# Altium PCB Smartcar.PcbDoc (part 2 of 2)
Units mil, origin at the board's own origin, x right, y up, seen from the top; angles counter-clockwise.
Board outline 3740.16 x 2322.83 mil, 2 copper layers (Top Layer, Bottom Layer); 141 components, 109 nets, 521 pads, 178 vias.
Unrouted connection lines stored in the file: 4.
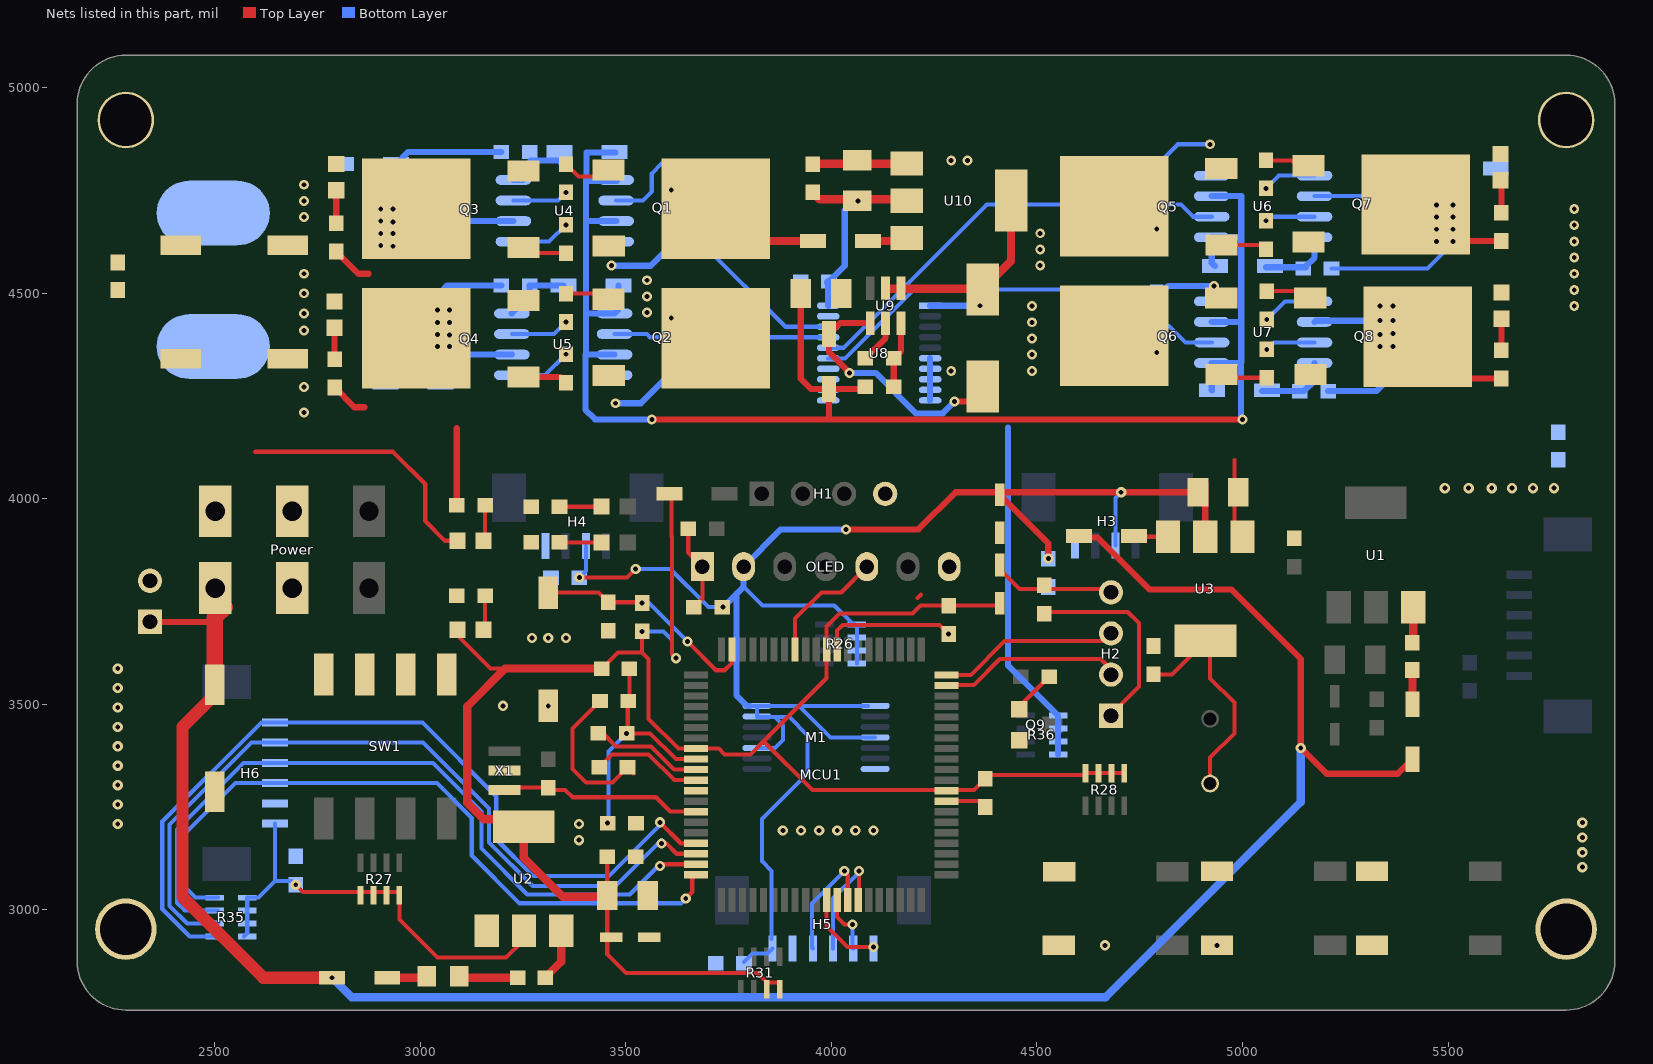
[diagram p2: the nets of this part, all layers, seen from the top]

## Via types
v1: diameter 25, hole 12, Top Layer to Bottom Layer, 88 vias
v2: diameter 24, hole 12, Top Layer to Bottom Layer, 86 vias
v3: diameter 25, hole 12, Top Layer to Bottom Layer, tented both sides, 4 vias

## Nets (pads, with @x,y where several pads share a name; then routed paths per layer and width w, separated by ;. In a path a pad name is that pad's centre, name@x,y a point inside that pad or via, vN(x,y) a via of type N, cw(c..) or ccw(c..) an arc to the next point about the centre after c; other vN are vias at no path point) (continued)
NetC11_2: C11.2 C12.2 L2.1 MCU1.9 R5.1 | length 593.7
  Top Layer w10: v1(3501.87,3429.13) 3559.06,3429.13 3621.61,3366.57 MCU1.9@3670.94,3366.57 ; R5.1@3504.38,3431.65 C11.2@3504.38,3515.75 ; C11.2@3508.32,3511.81 L2.1@3508.32,3586.61
  Bottom Layer w10: v1@3457.57,3207.68 3457.57,3384.84 v1(3501.87,3429.13)
  other v1: 3455.61,3210.63
NetC28_1: C28.1 D18.2 U5.8 | length 168.7
  Bottom Layer w15: U5.8@3222.44,4450.59 3265.85,4494 C28.1@3265.85,4518.7 D18.2@3348.43,4518.7
NetC30_1: C30.1 D17.2 U4.8 | length 160.6
  Bottom Layer w15: U4.8@3226.38,4775.39 3249.02,4775.39 3267.72,4794.09 3267.72,4822.83 3336.61,4822.83 3346.46,4812.99
NetC32_2: C32.2 D23.1 H2.4 | length 305.5
  Top Layer w10: D23.1@4409.39,3838.58 4409.39,3828.8 4457.87,3780.32 H2.4@4685.04,3780.32
NetC36_1: C36.1 D26.2 U6.8 | length 178.9
  Bottom Layer w15: D26.2@5057.09,4562.99 C36.1@5154.53,4562.99 ; C36.1@5152.56,4563.98 5175.2,4586.61 U6.8@5175.2,4636.02
NetC37_1: C37.1 D27.2 U7.8 | length 181.2
  Bottom Layer w15: D27.2@5047.24,4261.81 C37.1@5139.66,4261.81 5149.5,4261.81 5175.2,4287.5 U7.8@5175.2,4330.12
NetD2_2: D2.2 L1.2 | length 83.2
  Top Layer w20: D2.2@5413.39,3500 L1.2@5413.39,3583.17
NetD12_2: D12.2 R19.1 | length 79.1
  Top Layer w10: D12.2@3157.48,3684.64 R19.1@3157.48,3763.78
NetD13_2: D13.2 R20.1 | length 102
  Top Layer w10: R20.1@3338.58,3893.7 D13.2@3440.55,3893.7
NetD14_2: D14.2 F1.1 | length 70.9
  Top Layer w20: D14.2@2939.96,2834.65 F1.1@3010.83,2834.65
NetD15_2: D15.2 R21.1 | length 101.1
  Top Layer w10: R21.1@3338.58,3980.32 D15.2@3439.72,3980.32
NetD19_2: D19.2 U3.3 | length 80.7
  Top Layer w10: D19.2@4738.19,3907.48 U3.3@4818.9,3907.48
NetD32_1: D32.1 L8.2 U9.1 | length 618.2
  Top Layer w15: v2(4044.29,4306.1) 3994.09,4356.3 D32.1@3994.09,4400.59 4020.67,4427.17 U9.1@4094.49,4427.17 ; v2(4299.21,4236.22) 4331.69,4236.22 L8.2@4368.11,4272.64
  Bottom Layer w15: v2(4044.29,4306.1) 4107.28,4306.1 4205.71,4207.68 4270.67,4207.68 v2(4299.21,4236.22)
NetD33_2: D33.2 U10.3 | length 97.9
  Top Layer w20: D33.2@4088.58,4626.97 4176.26,4626.97 U10.3@4183.46,4634.17
NetD34_2: D34.2 R41.1 | length 83.1
  Top Layer w10: D34.2@3157.48,3901.18 R41.1@3157.48,3984.25
NetF1_2: F1.2 L3.2 | length 138.3
  Top Layer w20: F1.2@3098.43,2834.65 L3.2@3236.72,2834.65
NetJ3_1: J3.1 Power.2 Power.5
NetL1_1: L1.1 U1.3 | length 84.2
  Top Layer w20: L1.1@5415.35,3652.02 U1.3@5415.35,3736.22
NetL3_1: L3.1 U2.3 | length 130.3
  Top Layer w20: L3.1@3303.59,2834.65 3342.52,2873.57 U2.3@3342.52,2948.82
NetLED1_1: LED1.1 R37.2 | length 80.2
  Top Layer w15: R37.2@2795.28,4660.54 R37.2@2795.28,4670.38 LED1.1@2795.28,4740.75
NetLED2_1: LED2.1 R40.2 | length 76.3
  Top Layer w15: R40.2@2791.34,4329.83 R40.2@2791.34,4339.67 LED2.1@2791.34,4406.1
NetLED3_1: LED3.1 R42.2 | length 76.3
  Top Layer w15: R42.2@5629.92,4695.97 LED3.1@5629.92,4772.25
NetLED4_1: LED4.1 R43.2 | length 76.3
  Top Layer w15: R43.2@5629.92,4361.32 LED4.1@5629.92,4437.6
NetMCU1_10: MCU1.10 R5.2 | length 262.6
  Top Layer w10: R5.2@3444.88,3429.13 3476.38,3397.64 3560.89,3397.64 3617.54,3340.98 MCU1.10@3670.94,3340.98
NetMCU1_11: MCU1.11 R8.2 | length 275
  Top Layer w10: R8.2@3434.94,3346.46 3466.43,3377.95 3555.12,3377.95 3617.68,3315.39 MCU1.11@3670.94,3315.39
NetQ1_1: Q1.1 R22.2 | length 118
  Top Layer w10: R22.2@3354.33,4814.08 3384.84,4783.57 Q1.1@3459.65,4783.57
NetQ2_1: Q2.1 R23.2 | length 109.1
  Top Layer w10: R23.2@3354.33,4499.02 3443.9,4499.02 Q2.1@3457.68,4485.24
NetQ3_1: Q3.1 R24.2 | length 109.1
  Top Layer w10: Q3.1@3250.98,4611.22 3264.87,4597.34 R24.2@3354.33,4597.34
NetQ4_1: Q4.1 R25.2 | length 109.1
  Top Layer w15: Q4.1@3250.98,4296.26 3340.45,4296.26 R25.2@3354.33,4282.38
NetQ5_1: Q5.1 R29.2 | length 112.4
  Top Layer w10: Q5.1@4948.82,4617.13 5047.14,4617.13 R29.2@5057.09,4607.18
NetQ6_1: Q6.1 R30.2 | length 113.5
  Top Layer w10: Q6.1@4948.82,4302.17 4956.8,4294.19 R30.2@5059.06,4294.19
NetQ7_1: Q7.1 R32.2 | length 92.7
  Top Layer w10: R32.2@5059.06,4822.83 5119.09,4822.83 5128.94,4812.99 Q7.1@5147.64,4812.99
NetQ8_1: Q8.1 R33.2 | length 113.1
  Top Layer w10: R33.2@5059.06,4504.92 5148.36,4504.92 Q8.1@5165.19,4488.09
NetQ9_1: Q9.1 R38.2 | length 109.4
  Top Layer w10: Q9.1@4456.94,3487.64 4456.94,3494.24 R38.2@4529.63,3566.93
NetR22_1: R22.1 U4.7 | length 136.1
  Bottom Layer w10: U4.7@3226.38,4725.39 3334.65,4725.39 v2(3354.33,4745.08)
NetR23_1: R23.1 U5.7 | length 144.1
  Bottom Layer w10: U5.7@3222.44,4400.59 3324.91,4400.59 v2(3354.33,4430.02)
NetR24_1: R24.1 U4.5 | length 144.9
  Bottom Layer w10: U4.5@3226.38,4625.39 3313.39,4625.39 v2(3354.33,4666.34)
NetR25_1: R25.1 U5.5 | length 152.9
  Bottom Layer w10: U5.5@3222.44,4300.59 3303.54,4300.59 v2(3354.33,4351.38)
NetR29_1: R29.1 U6.7 | length 122.2
  Bottom Layer w10: v2(5057.09,4676.18) 5066.93,4686.02 U6.7@5175.2,4686.02
NetR30_1: R30.1 U7.7 | length 123.2
  Bottom Layer w10: v2(5059.06,4363.19) 5075.98,4380.12 U7.7@5175.2,4380.12
NetR32_1: R32.1 U6.5 | length 131
  Bottom Layer w10: v2(5057.09,4754.82) 5088.29,4786.02 U6.5@5175.2,4786.02
NetR33_1: R33.1 U7.5 | length 134.4
  Bottom Layer w10: v2(5059.06,4435.92) 5103.25,4480.12 U7.5@5175.2,4480.12
NetR34_1: R34.1 R39.2 U9.3 | length 161.9
  Top Layer w15: R34.1@4151.57,4272.64 4151.57,4341.43 R39.2@4151.68,4341.54 4169.29,4359.15 U9.3@4169.29,4427.17
OUT1: C30.2 D20.1 D24.2 J1.1 Q1.3 Q3.2 R37.1 U4.6 | length 984.2
  Top Layer w15: R37.1@2795.28,4601.38 2849.41,4547.24 2874.02,4547.24
  Bottom Layer w15: J1.1@2921.26,4666.34 J1.1@2930.31,4675.39 ; C30.2@3196.75,4843.5 2970.47,4843.5 D24.2@2940.94,4813.98 2933.07,4806.1 v2(2933.07,4704.72) 2933.07,4693.9 2940.94,4686.02 J1.1@2930.31,4675.39 ; U4.6@3226.38,4675.39 J1.1@2930.31,4675.39 ; v2@3474.41,4566.93 3560.04,4566.93 D20.1@3610.24,4617.13
  other v2: 3464.57,4566.93 2933.07,4614.17 2903.54,4616.14 2903.54,4645.67 2933.07,4645.67 2933.07,4673.23 2903.54,4675.2 2903.54,4704.72
OUT2: C28.2 D21.1 D25.2 J1.2 Q2.3 Q4.2 R40.1 U5.6 | length 780.6
  Top Layer w15: R40.1@2791.34,4270.67 2839.57,4222.44 2864.17,4222.44
  Bottom Layer w15: v2(3041.34,4458.66) 3051.18,4468.5 3051.18,4503.94 3065.94,4518.7 C28.2@3196.85,4518.7 ; D25.2@3049.21,4282.48 3049.21,4400.59 J1.2@3059.05,4410.43 v2(3070.87,4398.62) 3118.9,4350.59 U5.6@3222.44,4350.59 ; v2(3474.41,4232.28) 3536.42,4232.28 D21.1@3610.24,4306.1
  other v2: 3041.34,4370.08 3070.87,4370.08 3041.34,4399.61 3041.34,4429.13 3070.87,4429.13 3070.87,4458.66
OUT3: C36.2 D28.1 D30.2 J2.1 Q5.3 Q7.2 R42.1 U6.6 | length 1242.3
  Top Layer w10: Q7.2@5421.26,4715.55 Q7.2@5509.84,4626.97
  Top Layer w15: Q7.2@5509.84,4626.97 R42.1@5629.92,4626.97
  Bottom Layer w10: D28.1@4791.34,4790.35 4791.34,4811.02 4842.52,4862.2 v2(4921.26,4862.2) ; U6.6@5175.2,4736.02 5430.31,4736.02 J2.1@5482.28,4684.06 ; C36.2@5216.64,4560.04 5450.29,4560.04 5490.16,4599.91 J2.1@5490.16,4676.18 J2.1@5482.28,4684.06 ; D30.2@5482.28,4803.15 J2.1@5482.28,4684.06
  other v2: 5472.44,4625.98 5511.81,4625.98 5472.44,4655.51 5511.81,4655.51 5472.44,4685.04 5511.81,4685.04 5472.44,4714.57 5511.81,4714.57
OUT4: C37.2 D29.1 D31.2 J2.2 Q6.3 Q8.2 R43.1 U7.6 | length 871
  Top Layer w15: Q8.2@5426.02,4393.6 5527.3,4292.32 R43.1@5629.92,4292.32
  Bottom Layer w15: D29.1@4791.34,4489.17 4819.88,4517.72 v2(4931.1,4517.72) ; U7.6@5175.2,4430.12 5178.15,4433.07 v2(5334.65,4433.07) 5339.57,4433.07 J2.2@5352.36,4420.28 5356.3,4416.34 D31.2@5356.3,4292.32 5325.79,4261.81 C37.2@5208.66,4261.81
  other v2: 5334.65,4370.08 5366.14,4370.08 5334.65,4399.61 5366.14,4401.57 5366.14,4433.07 5334.65,4468.5 5366.14,4468.5
P5V: C39.1 C44.1 C45.2 L8.1 U8.1 U8.20 U9.4 U9.5 U10.0 U10.2 | length 1096.7
  Top Layer w20: C45.2@3954.72,4745.08 3971.46,4728.35 U10.2@4161.14,4728.35 ; U9.5@4130.91,4510.83 L8.1@4367.13,4510.83 ; L8.1@4368.11,4508.86 4437.01,4577.76 U10.0@4437.01,4725.39
  Bottom Layer w15: U8.20@3992.13,4469.49 C39.1@3992.13,4526.47 ; C39.1@3994.2,4528.54 4032.58,4566.93 4032.58,4701.87 v2@4055.12,4724.41 ; U8.1@4240.16,4469.49 v2(4361.22,4469.49)
  Bottom Layer w20: C39.1@3992.13,4526.47 C39.1@3994.2,4528.54
  other v2: 4064.96,4724.41
PGND: C39.2 C41.2 C44.2 C45.1 C46.1 C47.1 D24.1 D25.1 D30.1 D31.1 J3.2 L4.2 L5.2 LED1.2 LED2.2 LED3.2 LED4.2 pad.0 pad.4 Q3.3 Q4.3 Q7.3 Q8.3 R36.1 R36.2 R36.3 R36.4 R39.1 R41.2 U4.4 U5.4 U6.4 U7.4 U8.6 U8.7 U8.8 U8.9 U8.10 U8.11 U8.12 U8.13 U8.14 U8.19 U9.2 U10.1 | length 1523.6
  Top Layer w15: R41.2@3088.48,3984.25 3088.48,4171.36 ; R39.1@4082.68,4341.54 4131.89,4390.75 U9.2@4131.89,4427.17
  Top Layer w20: C45.1@3954.72,4814.08 3955.61,4814.96 4183.46,4814.96 U10.1@4185.43,4814.96
  Bottom Layer w15: U8.11@3992.13,4239.17 U8.12@3992.13,4264.76 U8.13@3992.13,4290.35 ; U8.10@4240.16,4239.17 U8.9@4240.16,4264.76 U8.8@4240.16,4290.35 U8.7@4240.16,4315.94 U8.6@4240.16,4341.54 ; 4429.13,4173.23 4429.13,3594.49 R36.1@4551.18,3472.44 R36.2@4551.18,3440.94 R36.3@4551.18,3409.45 R36.4@4551.18,3377.95
  other v2: 2716.54,4209.82 2716.54,4271.65 4291.34,4311.02 4488.19,4311.02 4488.19,4350.39 4488.19,4389.76 2716.54,4409.45 4488.19,4429.13 2716.54,4450.63 3551.18,4452.76 4488.19,4468.5 5807.09,4468.5 3551.18,4492.13 2716.54,4499.73 5807.09,4507.87 3551.18,4531.5 2716.54,4547.24 5807.09,4547.24 4507.87,4566.93 5807.09,4586.61 4507.87,4606.3 5807.09,4625.98 4507.87,4645.67 5807.09,4665.35 2716.54,4685.04 5807.09,4704.72 2716.54,4724.41 2716.54,4763.78 4291.34,4822.83 4330.71,4822.83
PWM1: U4.2 U8.18 | length 833.6
  Bottom Layer w10: U4.2@3476.38,4725.39 3541.34,4725.39 3562.99,4747.05 3562.99,4791.34 3586.61,4814.96 3645.67,4814.96 3686.52,4774.11 3686.52,4619.59 3887.8,4418.31 U8.18@3992.13,4418.31
PWM2: U5.2 U8.17 | length 522.9
  Bottom Layer w10: U5.2@3472.44,4400.59 3551.18,4400.59 3559.06,4392.72 U8.17@3992.13,4392.72
PWM3: U6.2 U8.16 | length 1089.6
  Bottom Layer w10: U8.16@3992.13,4367.13 4029.53,4367.13 4377.95,4715.55 4850.39,4715.55 4879.92,4686.02 U6.2@4925.2,4686.02
PWM4: U7.2 U8.15 | length 1055.7
  Bottom Layer w10: U8.15@3992.13,4341.54 4033.46,4341.54 4200.79,4508.86 4643.7,4508.86 4732.28,4420.28 4820.87,4420.28 4861.02,4380.12 U7.2@4925.2,4380.12
RESET: C18.1 MCU1.79 R11.2 RST.1 | length 565
  Top Layer w10: RST.1@3311.02,3771.65 3433.07,3771.65 C18.1@3456.69,3748.03 3537.5,3748.03 v1(3539.37,3746.17) ; v1(3649.61,3652.56) 3719.49,3582.68 3740.16,3582.68 3758.07,3600.59 MCU1.79@3758.07,3632.83
  Bottom Layer w10: v1(3539.37,3746.17) 3556,3746.17 v1(3649.61,3652.56)
RST: MCU1.73 OLED.5 | length 302.4
  Top Layer w10: MCU1.73@3911.61,3632.83 3911.61,3708.34 3975.56,3772.28 4023.86,3772.28 OLED.5@4086.22,3834.65
RX0: H2.3 MCU1.60 | length 450
  Top Layer w10: MCU1.60@4280.24,3571.3 4339.02,3571.3 4421.26,3653.54 4658.27,3653.54 H2.3@4685.04,3680.32
SCL: H5.4 MCU1.33 | length 296.7
  Top Layer w10: v1(4031.49,3094.48) 4039.43,3086.54 4039.43,3083.1 4039.57,3082.96 MCU1.33@4039.57,3023.54
  Bottom Layer w10: H5.4@3954.72,2905.51 3952.76,2907.48 3952.76,3015.75 v1(4031.49,3094.48)
SCS: H5.1 MCU1.31 | length 198.2
  Top Layer w10: MCU1.31@3988.39,3023.54 3988.39,2960.43 4039.37,2909.45 v2(4102.36,2909.45)
SDA: H5.3 MCU1.34 | length 286.7
  Top Layer w10: MCU1.34@4065.16,3023.54 4066.93,3025.32 v1(4066.93,3094.49)
  Bottom Layer w10: H5.3@4003.94,2905.51 4003.94,3028.04 4066.93,3091.03 v1(4066.93,3094.49)
SDS: H5.2 MCU1.32 | length 145.8
  Top Layer w10: MCU1.32@4013.98,3023.54 4013.98,2982.09 4031.5,2964.57 v2(4051.18,2964.57)
  Bottom Layer w10: v2(4051.18,2964.57) 4051.18,2907.48 H5.2@4053.15,2905.51
SGND: C1.1 C11.1 C12.1 C13.1 C18.2 C25.1 C26.2 C27.1 C29.2 C31.1 C32.1 C33.1 C34.1 C38.1 C40.2 C42.2 C43.1 D16.1 D22.1 H1.4 H2.1 H3.4 H4.4 H5.5 H6.5 H8.2 KEY1.2 KEY2.2 KEY3.2 KEY4.1 KEY5.1 KEY6.1 L4.1 L5.1 M1.7 MCU1.12 MCU1.48 MCU1.69 OLED.1 OLED.7 pad.2 pad.3 Q9.2 R1.1 R8.1 R19.2 R20.2 R21.2 RST.2 SW1.5 SW1.6 SW1.7 SW1.8 U2.1 U3.1 X1.2 | length 1644
  Top Layer w10: C11.1@3437.01,3507.87 3370.08,3440.94 3370.08,3342.52 3402.77,3309.83 3467.31,3309.83 R8.1@3503.94,3346.46 R8.1@3518.41,3331.98 ; C1.1@3651.57,3927.17 3651.57,3869.29 OLED.1@3686.22,3834.65 3686.22,3757.09 C33.1@3665.35,3736.22 ; 4013.67,3663.77 4013.67,3679.03 4027.56,3692.91 4263.18,3692.91 v1(4285.1,3671) ; 4209.84,3758.26 4209.84,3758.74 4217.45,3766.35 4217.93,3766.35 ; MCU1.48@4280.24,3264.21 C25.1@4359.7,3264.21 ; C32.1@4528.54,3724.84 4720.91,3724.84 4748.03,3697.72 4748.03,3543.31 H2.1@4685.04,3480.32 ; U3.1@4980.31,3907.48 4980.31,4094.49
  other v1: 4665.35,2913.39 4937.99,2913.39 5826.77,3103.67 5826.77,3139.76 5826.77,3175.85 3881.89,3192.91 3925.98,3192.91 3970.08,3192.91 4014.17,3192.91 4058.27,3192.91 4102.36,3192.91 2263.78,3208.66 5826.77,3211.94 2263.78,3255.91 2263.78,3303.15 2263.78,3350.39 2263.78,3397.64 2263.78,3444.88 2263.78,3492.13 3200.79,3496.06 3311.02,3496.06 2263.78,3539.37 2263.78,3586.61 3271.65,3661.42 3311.02,3661.42 3354.33,3661.42 5492.13,4025.59 5550.12,4025.59 5606.3,4025.59 5655.51,4025.59 5706.69,4025.59 5757.87,4025.59
  other v3: 3385.83,3169.29 3385.83,3208.66
STOP1: H6.1 MCU1.17 R35.1 | length 2070.2
  Top Layer w10: v1(3582.68,3212.6) 3633.43,3161.85 MCU1.17@3670.94,3161.85
  Bottom Layer w10: R35.1@2507.87,2935.04 R35.1@2500,2935.04 2438.98,2935.04 2372.05,3001.97 2372.05,3214.43 2613.32,3455.71 H6.1@2646.65,3455.71 3004.92,3455.71 3184.62,3276.01 3184.62,3171.54 3274.47,3081.69 3458.66,3081.69 3582.68,3205.71 v1(3582.68,3212.6)
STOP2: H6.2 MCU1.18 R35.2 | length 1974.9
  Top Layer w10: v1(3586.61,3161.42) 3598.43,3161.42 3623.58,3136.26 MCU1.18@3670.94,3136.26
  Bottom Layer w10: R35.2@2507.87,2966.54 R35.2@2500,2966.54 2432.94,2966.54 2390.05,3009.42 2390.05,3206.98 2589.57,3406.5 H6.2@2646.65,3406.5 3006.76,3406.5 3166.62,3246.63 3166.62,3164.09 3273.34,3057.37 3474.69,3057.37 v1@3586.61,3169.29 ; v1@3586.61,3169.29 3585.51,3161.57 3584.65,3155.51 3586.61,3157.48 v1(3586.61,3161.42) v1@3586.61,3169.29
STOP3: H6.3 MCU1.19 R35.3 | length 1837.7
  Top Layer w10: v1(3582.68,3106.3) 3587.05,3110.67 MCU1.19@3670.94,3110.67
  Bottom Layer w10: R35.3@2507.87,2998.03 R35.3@2500,2998.03 2426.9,2998.03 2408.05,3016.88 2408.05,3195.45 2569.88,3357.28 H6.3@2646.65,3357.28 3030.51,3357.28 3148.62,3239.17 3148.62,3148.62 3259.95,3037.3 3509.74,3037.3 3511.81,3039.37 3580.71,3108.27 3582.68,3110.24 v1(3582.68,3106.3)
STOP4: H6.4 MCU1.20 R35.4 | length 1739.2
  Top Layer w10: v1(3645.67,3027.56) 3661.42,3043.31 3661.42,3075.55 MCU1.20@3670.94,3085.08
  Bottom Layer w10: R35.4@2507.87,3029.53 R35.4@2500,3029.53 2452.76,3029.53 2426.05,3056.24 2426.05,3183.92 2550.2,3308.07 H6.4@2646.65,3308.07 3040.35,3308.07 3125,3223.43 3125,3131.89 3241.14,3015.75 3633.86,3015.75 v1(3645.67,3027.56)
TX0: H2.2 MCU1.59 | length 429.6
  Top Layer w10: MCU1.59@4287.4,3547.24 4346.46,3547.24 4409.45,3610.24 4655.12,3610.24 H2.2@4680.41,3584.94
VCC: C46.2 C47.2 D20.2 D21.2 D28.2 D29.2 D33.1 D34.1 Power.6 Q1.2 Q2.2 Q5.2 Q6.2 | length 902.6
  Top Layer w10: 2598.43,4114.17 2933.07,4114.17 3011.81,4035.43 3011.81,3946.14 3060.31,3897.64 D34.1@3090.16,3897.64
  Top Layer w20: Q1.2@3718.5,4705.71 3797.24,4626.97 D33.1@3954.72,4626.97
  other v2: 4791.34,4355.31 3610.24,4439.96 4791.34,4656.5 3610.24,4750.98
VCC5V: C13.2 C25.2 C26.1 C27.2 C42.1 D1.2 D12.1 D16.2 D23.2 H6.6 L2.2 MCU1.8 MCU1.49 MCU1.70 R11.1 R27.1 R27.2 R27.3 R27.4 R28.5 R28.6 R28.7 R28.8 R31.7 R31.8 R35.5 R35.6 R35.7 R35.8 U2.0 U2.2 | length 5939
  Top Layer w10: v1(2696.85,3060.92) 2714.46,3043.31 2948.82,3043.31 R27.4@2948.82,3035.43 2948.82,2976.38 3041.34,2883.86 3208.66,2883.86 3248.03,2923.23 U2.2@3248.03,2944.88 ; D12.1@3090.16,3681.11 3090.16,3666.73 3170.28,3586.61 3205.71,3586.61 ; U2.0@3206.02,3220.47 3233.19,3220.47 U2.0@3251.3,3202.36 ; L2.2@3441.44,3586.61 3480.81,3625.98 3539.37,3625.98 ; C26.1@3454.62,3031.6 C27.2@3454.62,3128.94 ; C26.1@3454.72,3034.45 3454.72,3031.5 3454.72,2891.73 3500,2846.46 3820.37,2846.46 R31.7@3841.04,2825.79 ; v1(3539.37,3677.17) 3539.37,3625.98 ; v1(3622.05,3612.2) 3611.79,3622.46 3611.79,3908.05 3611.22,3908.61 3611.22,4004.92 D1.2@3626.97,4020.67 ; R31.7@3842.52,2807.09 3842.52,2822.83 R31.8@3874.02,2822.83 ; MCU1.70@3988.19,3649.61 3988.19,3688.98 4019.68,3720.47 4197.5,3720.47 4217.19,3740.16 4399.55,3740.16 D23.2@4409.39,3750 ; MCU1.70@3988.39,3632.83 3988.39,3563.19 3835.14,3409.94 ; R28.5@4710.63,3332.68 4622.05,3332.68 4620.87,3330.32 4619.49,3327.56 4615.35,3326.18 4616.27,3328.02 4383.14,3328.02 C25.2@4374.02,3318.9 4346.46,3291.34 3953.74,3291.34 3835.14,3409.94 ; 3539.37,3625.98 3555.12,3610.24 3555.12,3464.57 3627.52,3392.17 MCU1.8@3670.94,3392.17 3725.94,3392.17 3739.99,3378.12 3803.31,3378.12 3835.14,3409.94
  Top Layer w20: U2.0@3206.02,3220.47 3153.54,3220.47 3114.17,3259.84 3114.17,3495.08 3205.71,3586.61 L2.2@3441.44,3586.61 ; U2.0@3251.3,3202.36 3251.3,3126.65 3346.46,3031.5 C26.1@3454.72,3031.5
  Bottom Layer w10: R35.8@2570.87,2935.04 2578.74,2942.91 R35.7@2578.74,2966.54 R35.6@2578.74,2998.03 R35.5@2578.74,3029.53 2606.3,3029.53 2646.65,3069.88 ; H6.6@2646.65,3209.65 2646.65,3069.88 ; C42.1@2687.89,3069.88 2646.65,3069.88 ; v1(3539.37,3677.17) 3591.54,3677.17 3611.79,3656.91 3611.79,3622.46 v1(3622.05,3612.2)
VCC5V-2: B1.1 C29.1 C31.2 C33.2 C34.2 C38.2 C40.1 D22.2 H3.2 H4.2 H5.6 M1.1 M1.4 M1.10 M1.13 M1.14 OLED.2 R26.5 R26.6 R26.7 R26.8 U3.0 U3.2 | length 4941.2
  Top Layer w10: v1(3386.81,3808.07) 3502.95,3808.07 v1(3523.62,3828.74) ; C31.2@4783.46,3572.73 4828.91,3572.73 U3.0@4910.12,3653.94 4921.26,3642.79 4921.26,3562.99 4980.31,3503.94 4980.31,3429.13 4921.26,3370.08 B1.1@4921.26,3307.09
  Top Layer w15: v1(4035.43,3925.2) 4211.61,3925.2 4302.17,4015.75 v3(4704.72,4015.75) C29.1@4891.73,4015.75 ; D22.2@4409.45,4009.84 4527.56,3891.73 v1(4527.56,3854.33) ; U3.2@4909.45,3907.48 C29.1@4909.45,4035.43
  Bottom Layer w10: v1(3386.81,3808.07) 3402.56,3823.82 H4.2@3402.56,3884.58 ; v1(3523.62,3828.74) 3607.92,3828.74 3700.44,3736.22 v1(3736.22,3736.22) ; 3786.22,3786.22 3832.28,3740.16 4006.89,3740.16 4053.15,3693.9 4055.7,3694.8 R26.5@4056.32,3692.57 ; C40.1@3786.91,2873.03 3807.58,2893.7 3844.49,2893.7 H5.6@3856.3,2905.51 ; M1.14@3801.18,3496.06 M1.14@3818.9,3496.06 ; M1.10@3818.9,3393.7 3862.68,3393.7 3881.89,3412.91 3881.89,3448.82 3862.2,3468.5 ; M1.13@3818.9,3468.5 3862.2,3468.5 ; M1.13@3818.9,3470.47 M1.14@3818.9,3496.06 ; H5.6@3854.33,2929.13 3854.33,3094.49 3830.71,3118.11 3830.71,3220.47 3941.93,3331.69 3941.93,3424.21 3897.64,3468.5 3862.2,3468.5 ; R26.8@4062.01,3599.41 4062.01,3662.4 R26.5@4062.01,3692.57 ; M1.1@4088.58,3496.06 3921.26,3496.06 ; M1.4@4106.3,3419.29 3998.03,3419.29 3921.26,3496.06 ; H3.2@4690.94,3885.83 4690.94,4001.97 v3(4704.72,4015.75) ; M1.14@3818.9,3496.06 3921.26,3496.06
  Bottom Layer w15: v1(3736.22,3736.22) 3769.21,3769.21 ; M1.14@3801.18,3496.06 3794.19,3496.06 3769.21,3521.04 3769.21,3769.21 ; v1(4035.43,3925.2) 3876.77,3925.2 OLED.2@3786.22,3834.65 3786.22,3786.22 3769.21,3769.21
VCC7.2V: C43.2 D2.1 D14.1 D19.1 H8.1 Power.1 | length 5262.4
  Top Layer w15: H8.1@2342.23,3700.41 2488.8,3700.41 2500,3711.61 ; D19.1@4590.55,3905.51 4647.64,3905.51 4773.62,3779.53 4972.44,3779.53 5141.73,3610.24 v1(5141.73,3393.7) 5204.72,3330.71 5377.95,3330.71 D2.1@5413.39,3366.14
  Top Layer w30: C43.2@2500,3523.62 2421.26,3444.88 2421.26,3031.5 2618.11,2834.65 v1(2785.43,2834.65)
  Top Layer w40: C43.2@2500,3523.62 C43.2@2500,3547.24 2500,3711.61 Power.1@2524.61,3736.22
  Bottom Layer w20: v1(2785.43,2834.65) 2832.68,2787.4 4667.32,2787.4 5141.73,3261.81 v1(5141.73,3393.7)
VCC15V: C41.1 D17.1 D18.1 D26.1 D27.1 D32.2 R34.2 U4.1 U4.3 U5.1 U5.3 U6.1 U6.3 U7.1 U7.3 | length 4084.9
  Top Layer w15: v2(3562.99,4192.91) 3994.09,4192.91 ; C41.1@3925.2,4499.02 3925.2,4292.32 3950.79,4266.73 D32.2@3994.09,4266.73 ; R34.2@4082.57,4272.64 4076.67,4266.73 D32.2@3994.09,4266.73 ; v2(5000,4192.91) 3994.09,4192.91 ; 3994.09,4192.91 D32.2@3994.09,4266.73
  Bottom Layer w15: 3402.56,4776.57 3402.56,4773.62 ; 3404.53,4782.48 3404.53,4841.54 3405.51,4842.52 D17.1@3474.41,4842.52 ; U5.3@3472.44,4350.59 3403.35,4350.59 3402.56,4351.38 ; U4.3@3476.38,4675.39 3404.72,4675.39 3402.56,4673.23 ; U4.1@3478.35,4773.62 3402.56,4773.62 ; D18.1@3482.28,4518.7 3482.28,4460.43 U5.1@3472.44,4450.59 3405.71,4450.59 3402.56,4453.74 ; v2(3562.99,4192.91) 3425.2,4192.91 3401.57,4216.54 3401.57,4350.39 3402.56,4351.38 ; U7.3@4925.2,4430.12 4994.09,4430.12 4997.05,4427.17 ; U6.3@4925.2,4736.02 4925.39,4736.22 4997.05,4736.22 4997.05,4637.8 ; D27.1@4926.18,4263.78 4925.2,4264.76 U7.1@4925.2,4330.12 4996.06,4330.12 4996.06,4196.85 v2(5000,4192.91) ; D26.1@4933.07,4565.94 4925.2,4573.82 U6.1@4925.2,4636.02 4995.28,4636.02 4997.05,4637.8 ; 4997.05,4331.69 4997.05,4427.17 ; 3402.56,4351.38 3402.56,4453.74 ; 3402.56,4453.74 3402.56,4673.23 ; 3402.56,4673.23 3402.56,4773.62 ; 4997.05,4427.17 4997.05,4637.8
XTAL: MCU1.14 R9.2 X1.1 | length 492.9
  Top Layer w10: X1.1@3204.72,3291.34 3210.53,3297.14 R9.2@3311.02,3297.14 3316.83,3291.34 3352.36,3291.34 3369.87,3273.83 3572.63,3273.83 3607.83,3238.62 MCU1.14@3670.94,3238.62
pads on no net: H3.0 H4.0 H5.0 H6.0 H7.0 M1.6 M1.8 MCU1.1 MCU1.2 MCU1.5 MCU1.7 MCU1.15 MCU1.16 MCU1.39 MCU1.40 MCU1.41 MCU1.42 MCU1.43 MCU1.44 MCU1.45 MCU1.46 MCU1.47 MCU1.50 MCU1.51 MCU1.61 MCU1.62 MCU1.63 MCU1.64 MCU1.65 MCU1.66 MCU1.67 MCU1.68 MCU1.71 MCU1.77 Power.3 Power.4 R31.3 R31.4 R31.5 R31.6 U9.6

## Polygon pours and split planes (outlines as drawn)
SGND on Top Layer "Top Layer-No Net" (solid, remove dead copper, pour order 72): 2165.35,4547.24 2677.17,4547.24 2677.17,4153.54 5905.51,4153.54 5905.51,2755.91 2165.35,2755.91
PGND on Top Layer "Top Layer-No Net" (solid, remove dead copper, pour order 68): 2165.35,5078.74 2165.35,4547.24 2677.17,4547.24 2677.17,4133.86 5905.51,4133.86 5905.51,5078.74
OUT4 on Top Layer "Top Layer-No Net" (solid, pour order 62): 4909.45,4464.57 4984.25,4464.57 4984.25,4519.69 4996.06,4531.5 5295.28,4531.5 5295.28,4480.31 5559.06,4480.31 5559.06,4574.8 4909.45,4574.8
OUT3 on Top Layer "Top Layer-No Net" (solid, pour order 60): 4909.45,4779.53 4988.19,4779.53 4988.19,4862.2 5295.28,4862.2 5295.28,4807.09 5550.73,4807.09 5550.73,4909.45 4909.45,4909.45
OUT2 on Top Layer "Top Layer-No Net" (solid, pour order 58): 3417.32,4326.77 3500,4326.77 3500,4208.66 2862.2,4208.66 2862.2,4330.71 3122.05,4330.71 3122.05,4259.84 3417.32,4259.84
OUT1 on Top Layer "Top Layer-No Net" (solid, pour order 56): 3417.32,4641.73 3496.06,4641.73 3496.06,4527.56 2864.17,4527.56 2864.17,4625.98 3122.05,4625.98 3122.05,4570.87 3417.32,4570.87
no net on Top Layer "NONET_L01_P032" (solid, pour order 32): 5846.46,3972.44 5846.46,3267.72 5492.13,3267.72 5492.13,3972.44
VCC on Top Layer "Top Layer-No Net" (solid, pour order 54): 2598.43,3886.81 2598.43,4733.27 2642.72,4777.56 2736.22,4871.06 3595.47,4871.06 3588.58,4244.09 3857.28,4244.09 3857.28,4871.06 4555.12,4871.06 4555.12,4244.09 4822.83,4244.09 4822.83,4871.06 4822.83,4989.17 2529.53,4989.17 2411.42,4871.06 2362.2,4821.85 2312.99,4772.64 2312.99,3886.81
SGND on Bottom Layer "Top Layer-No Net" (solid, remove dead copper, pour order 74): 2165.35,4547.24 2677.17,4547.24 2677.17,4153.54 5905.51,4153.54 5905.51,2755.91 2165.35,2755.91
PGND on Bottom Layer "Top Layer-No Net" (solid, remove dead copper, pour order 70): 2165.35,5078.74 2165.35,4547.24 2677.17,4547.24 2677.17,4153.54 5905.51,4153.54 5905.51,5078.74
NetJ3_1 on Bottom Layer "NETJ3_1_L02_P030" (solid, remove dead copper, pour order 30): 2322.83,4519.69 2657.48,4519.69 2657.48,4173.23 2696.85,4133.86 2795.28,4133.86 2795.28,3681.1 2598.43,3681.1 2598.43,4055.12 2440.94,4055.12 2322.83,4173.23

## Keep-outs
Keep-Out Layer:
  lines w8: 2165.35,2874.02 2165.35,4960.63 ; 2283.46,2755.91 5787.4,2755.91 ; 2283.46,5078.74 5787.4,5078.74 ; 5905.51,2873.03 5905.51,4960.63
  lines w10: 2165.35,2874.02 ccw(c2283.46,2874.02) 2283.46,2755.91 ; 2165.35,4960.63 cw(c2283.46,4960.63) 2283.46,5078.74 ; 5787.4,2755.91 ccw(c5787.4,2874.02) 5905.51,2874.02 ; 5787.4,5078.74 cw(c5787.4,4960.63) 5905.51,4960.63

## Silkscreen, mask and mechanical layers (free items; w line width, h text height)
Top Overlay:
  text "CLK" at 3989.17,4088.58 h60
  text "GND" at 4096.46,4088.58 h60
  text "DIO" at 3883.86,4087.6 h60
  text "5V" at 3794.29,4086.61 h60
  text "GND" at 2244.09,3838.58 h50 r270
  text "5V" at 4568.9,3769.68 h60
  text "VCC" at 2244.09,3740.16 h50 r270
  text "RX" at 4561.02,3662.4 h60
  text "TX" at 4567.91,3572.83 h60
  text "GND" at 4615.16,3430.12 h60 r90
Bottom Overlay:
  text "GND" at 2579.72,4529.53 h80
  text "VCC" at 2568.9,4202.76 h80
  text "Encoder" at 3464.57,4082.68 h50
  text "Encoder" at 4759.84,4082.68 h50
  text "ADC0" at 5607.28,3803.15 h40
  text "ADC1" at 5604.33,3755.91 h40
  text "ADC2" at 5601.38,3707.68 h40
  text "ADC3" at 5601.38,3657.48 h40
  text "5V" at 5495.08,3591.54 h40
  text "GND" at 5501.97,3521.65 h40
  text "STOP1" at 2875,3444.88 h40
  text "STOP2" at 2876.97,3394.68 h40
  text "STOP3" at 2879.92,3347.44 h40
  text "STOP4" at 2880.91,3298.23 h40
  text "VCC" at 3870.08,3165.35 h50 r90
  text "GND" at 3921.26,3165.35 h50 r90
  text "SCL" at 3968.5,3165.35 h50 r90
  text "SDA" at 4015.75,3165.35 h50 r90
  text "CS" at 4066.93,3161.42 h50 r90
  text "DS" at 4118.11,3161.42 h50 r90
Top Solder:
  drawing of 14132 lines, arcs and shapes, not listed

## Text inside footprints (layer, text, board x,y; h text height)
SW1: Top Overlay "ON" at 2618.11,3543.31 h80; Top Overlay "1" at 2706.69,3218.5 h40; Top Overlay "2" at 2805.12,3218.5 h40; Top Overlay "3" at 2903.54,3218.5 h40; Top Overlay "4" at 3001.97,3218.5 h40